# Altium PCB SVEC.pcbdoc (part 9 of 18)
Units mil, origin at the board's own origin, x right, y up, seen from the top; angles counter-clockwise.
Board outline 6349.25 x 9237.04 mil, 10 copper layers (Top Layer, L2 GND, L3, L4 PWR3.3, L5, L6, L7 GND, L8, L9 PWR, Bottom Layer), stack 58.268 mil thick; 906 components, 904 nets, 4753 pads, 3116 vias.
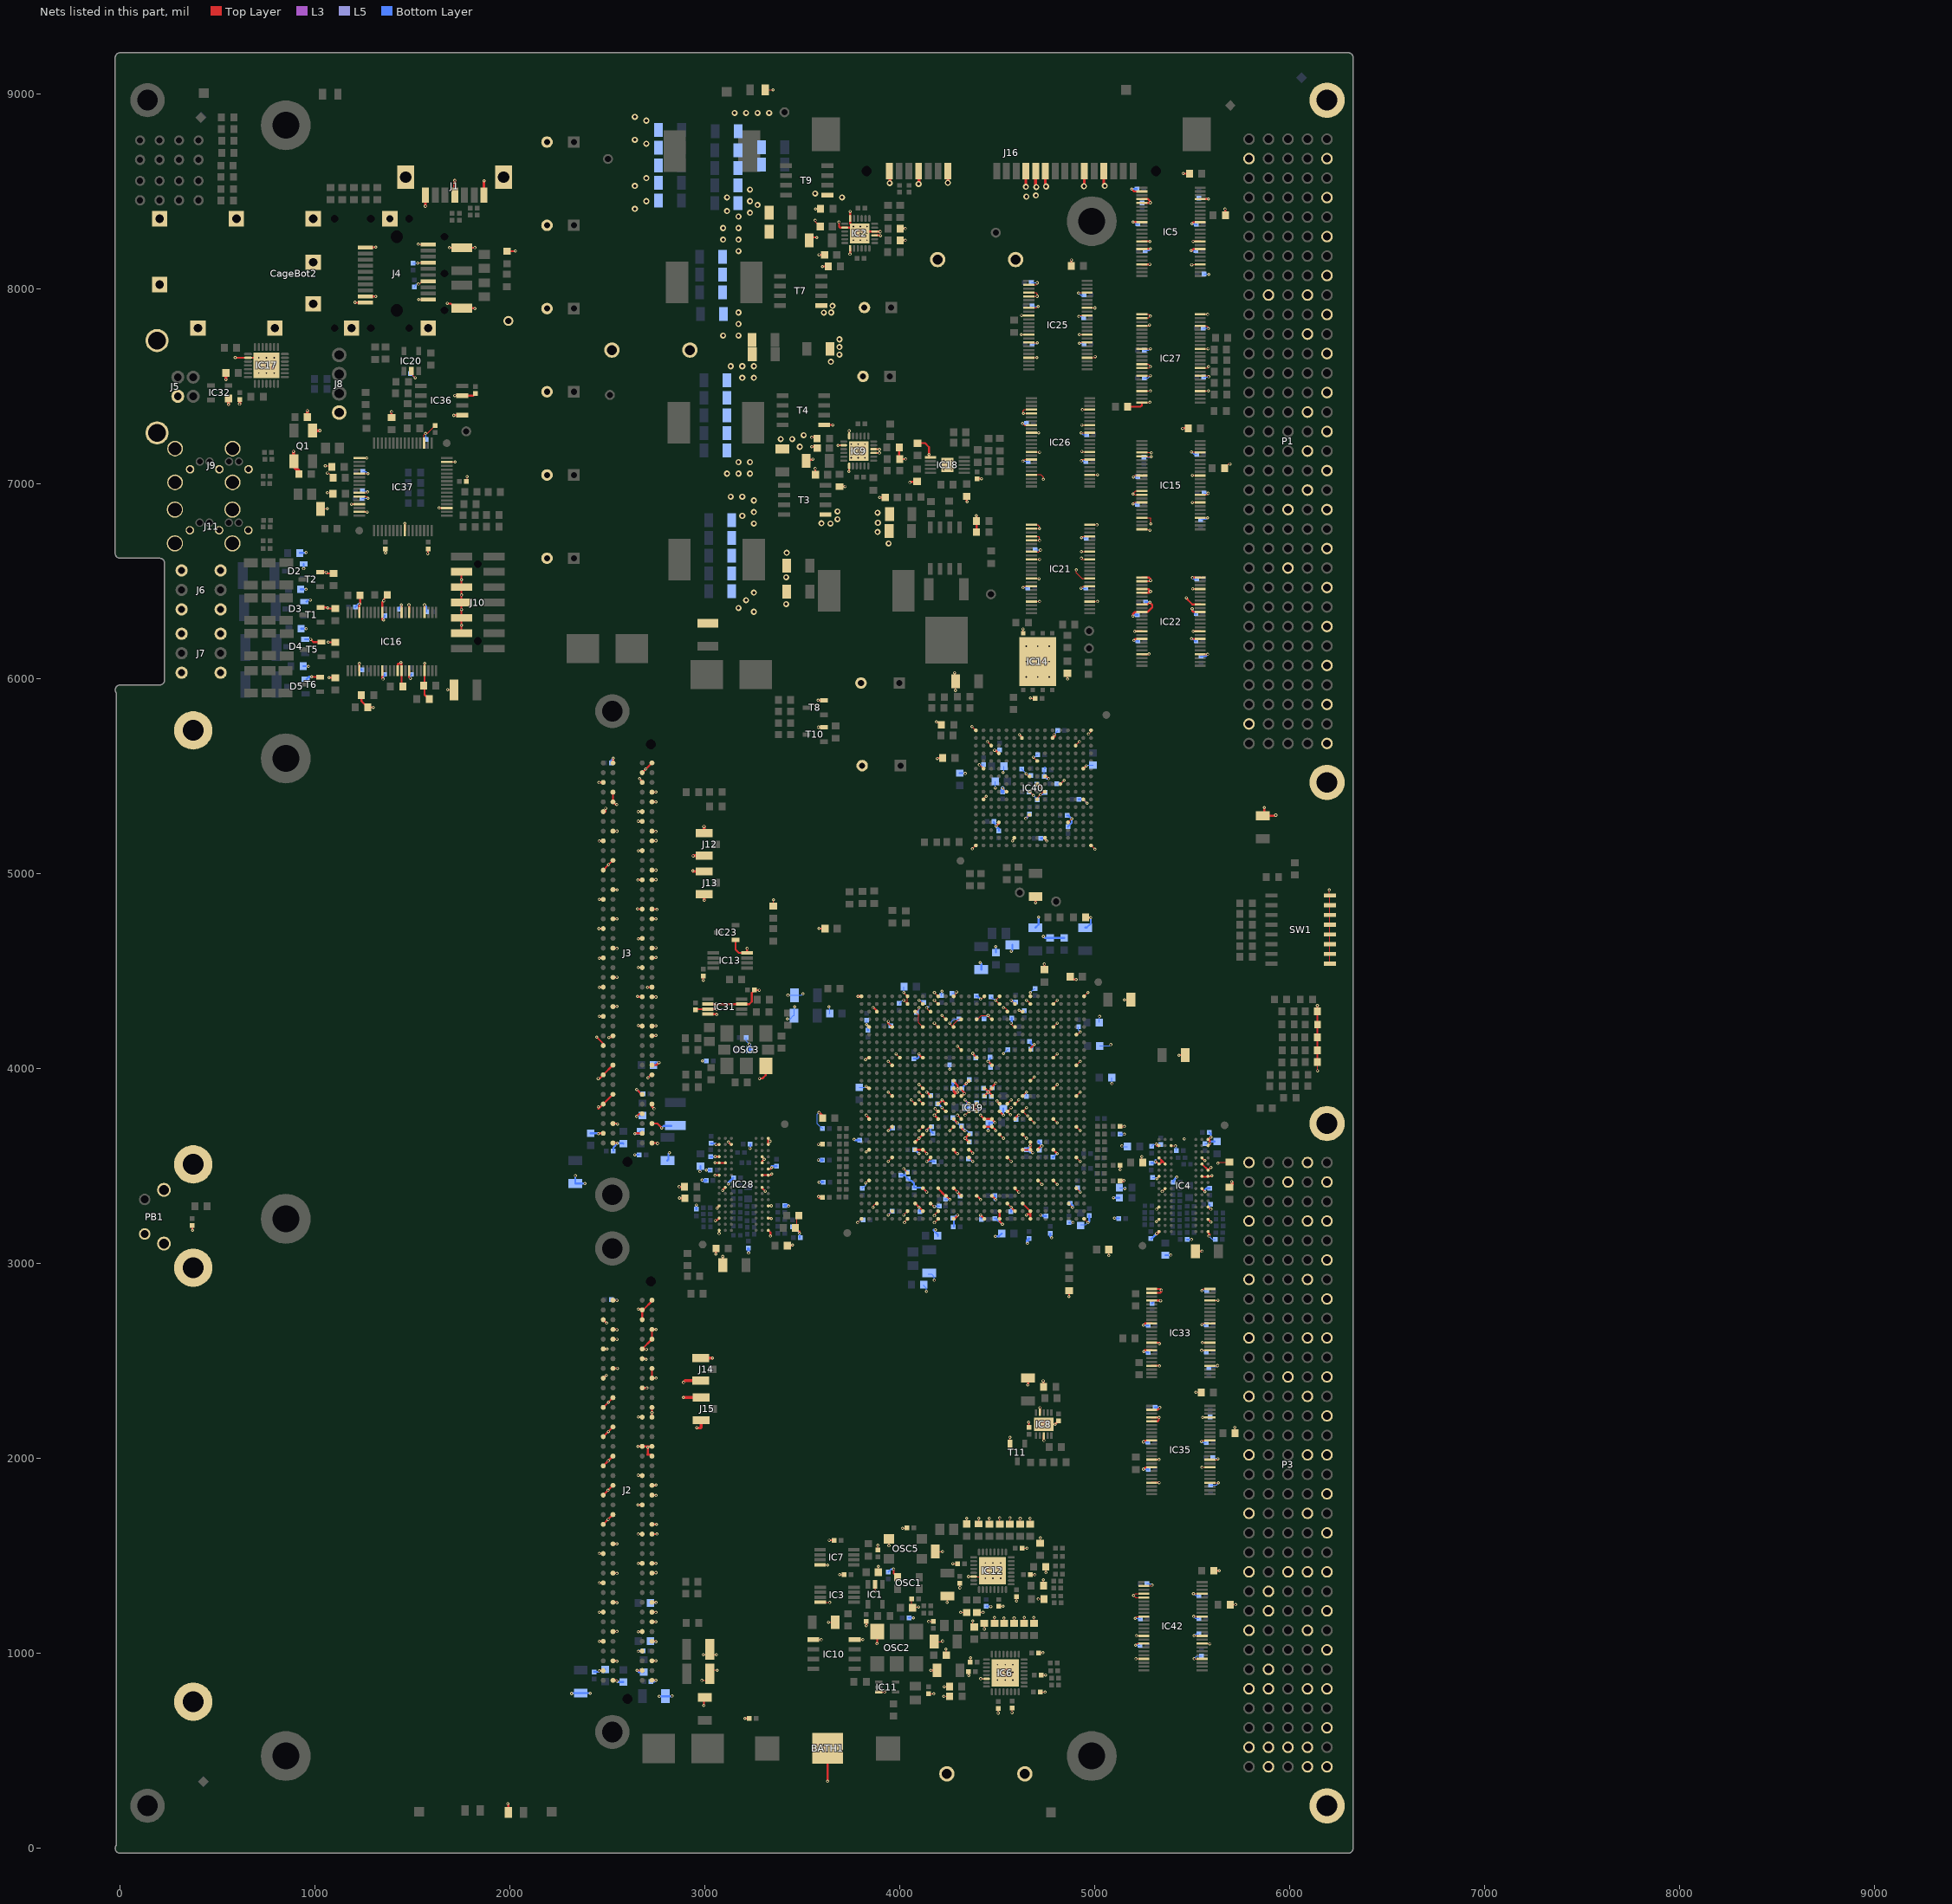
[diagram p17: the nets of this part, all layers, seen from the top]

## Via types
v1: diameter 15.75, hole 7.87, Top Layer to Bottom Layer, tented both sides, 2844 vias
v2: diameter 31.5, hole 15.75, Top Layer to Bottom Layer, tented both sides, 224 vias
v3: diameter 19.68, hole 7.87, Top Layer to Bottom Layer, tented both sides, 31 vias
v4: diameter 15.75, hole 7.87, Top Layer to Bottom Layer, 17 vias

## Nets (pads, with @x,y where several pads share a name; then routed paths per layer and width w, separated by ;. In a path a pad name is that pad's centre, name@x,y a point inside that pad or via, vN(x,y) a via of type N, cw(c..) or ccw(c..) an arc to the next point about the centre after c; other vN are vias at no path point) (continued)
GND: (continued)
  Top Layer w10: C279.1@370.55,3194.79 370.55,3171.51 v1(371.55,3170.51) ; v4(590.55,7647.64) 591.18,7647.01 IC17.2@656.2,7647.01 v4(790.06,7647.01) ; v1(977.55,6202.51) 992.15,6187.91 T5.2@1032.83,6187.91 ; v1(982.55,6010.51) 984.15,6008.91 T6.2@1026.83,6008.91 ; T2.2@1025.83,6546.91 v1(1057.15,6546.91) 1063.06,6541 R204.1@1094.55,6541 ; T1.2@1028.83,6365.91 1062.15,6365.91 v1(1064.55,6363.51) 1067.06,6361 R205.1@1103.55,6361 ; v1(1068.15,6187.91) 1069.06,6187 R206.1@1103.55,6187 ; v1(1071.96,6005.91) 1072.05,6006 R208.1@1103.55,6006 ; v1(1187.55,6895.51) 1187.97,6895.92 IC37.13@1226.58,6895.92 ; v1(1204.55,7931.51) 1206.36,7929.7 J4.10@1258.14,7929.7 ; IC37.15@1226.58,6856.55 1266.51,6856.55 v1(1267.55,6855.51) ; IC16.4@1227.23,6041.9 1227.55,6042.22 v1(1227.55,6078.51) ; IC16.45@1227.23,6341.11 v1@1227.23,6382.18 ; v1(1228.55,6383.51) 1231.05,6386 R164.1@1231.05,6428.51 ; R197.1@1238.06,5915.51 1238.06,5885.5 R196.1@1270.05,5853.51 1270.18,5853.64 v1(1298.69,5853.64) ; J4.9@1258.14,7961.2 v1(1310.86,7961.2) ; J4.1@1258.14,8213.17 1310.22,8213.17 v1(1311.55,8214.51) ; IC16.10@1345.34,6041.9 1345.34,6002.72 v1@1345.55,6002.51 ; v1(1351.55,6301.51) 1345.34,6302.72 IC16.39@1345.34,6341.11 1345.34,6393.29 v1(1352.55,6400.51) 1352.55,6408.51 1370.05,6426 R165.1@1370.05,6430.51 ; v1(1361.55,6646.51) C363.2@1361.55,6666.79 ; R236.2@1391.99,7341 1391.99,7368.94 v1(1392.55,7369.51) ; IC16.14@1424.08,6041.9 1424.08,6074.03 1427.55,6077.51 v1@1443.55,6077.51 ; v1(1440.55,6083.51) 1443.55,6080.51 v1@1443.55,6077.51 ; v1(1442.55,6379.51) 1443.77,6378.29 IC16.34@1443.77,6341.11 ; R198.1@1450.05,5960.51 1443.77,5966.79 IC16.15@1443.77,6041.9 1443.77,6077.29 v1@1443.55,6077.51 ; v1(1460.55,6797.51) 1460.83,6797.23 IC37.25@1460.83,6760.1 ; v1(1481.55,6378.51) 1483.14,6376.92 IC16.32@1483.14,6341.11 ; IC16.17@1483.14,6041.9 1483.14,6007.92 v1(1488.55,6002.51) ; v1(1561.55,6378.51) 1561.88,6378.18 IC16.28@1561.88,6341.11 ; v1(1562.55,6079.51) 1561.88,6078.83 IC16.21@1561.88,6041.9 1561.88,5918.68 R201.1@1585.05,5895.51 ; v1(1577.55,6642.51) 1579.55,6644.51 C353.2@1579.55,6666.79 ; v1(1635.55,6876.51) 1635.82,6876.24 IC37.35@1675.4,6876.24 ; v1@1679.69,7924.64 1695.69,7924.64 1715.69,7904.64 C219.2@1722.69,7904.64 ; v1(1689.61,8211.56) C220.2@1752.55,8211.56 v1(1819.61,8211.56) ; v1(1711.55,7351.51) 1712.55,7352.51 IC36.5@1755.29,7352.51 ; v1(1716.55,7453.51) 1717.55,7452.51 IC36.7@1755.29,7452.51 1812.27,7452.51 C359.2@1822.55,7462.79 ; J10.11@1750.89,6234.03 v1(1750.89,6274.51) J10.9@1750.89,6312.77 v1(1750.89,6355.51) J10.7@1750.89,6391.51 v1(1750.89,6429.51) J10.5@1750.89,6470.25 v1(1750.89,6508.51) J10.3@1750.89,6548.99 ; C219.2@1753.55,7901.45 1817.61,7901.45 v1(1819.55,7899.51) ; LD15.1@1985.74,8193.18 2026.23,8193.18 v1(2027.55,8194.51) ; v1(1988.55,229.51) 1991.18,226.88 R101.2@1991.18,184.51 ; v1(2444.55,4161.51) 2478.05,4128.01 J3.h30@2478.05,4118.51 ; v1(2452.55,3949.51) 2459.05,3949.51 J3.h33@2478.05,3968.51 J3.g32@2528.05,4018.51 ; v1(2453.14,3666.72) 2454.93,3668.51 J3.h39@2478.05,3668.51 ; v1(2453.14,3804.52) 2453.14,3794.7 2454.24,3794.69 J3.h36@2478.05,3818.51 J3.g35@2528.05,3868.51 ; v1(2455.55,4718.51) J3.h18@2478.05,4718.51 ; v1(2456.55,5467.51) 2457.55,5468.51 J3.h3@2478.05,5468.51 ; v1(2457.55,910.51) 2459.3,912.26 J2.h39@2478.05,912.26 ; v1(2457.55,1062.51) 2457.8,1062.26 J2.h36@2478.05,1062.26 ; v1(2457.55,1211.51) 2458.3,1212.26 J2.h33@2478.05,1212.26 ; v1(2457.55,1361.51) 2458.3,1362.26 J2.h30@2478.05,1362.26 ; v1(2457.55,1512.51) 2457.8,1512.26 J2.h27@2478.05,1512.26 ; v1(2457.55,4268.51) J3.h27@2478.05,4268.51 ; v1(2457.55,4417.51) 2458.55,4418.51 J3.h24@2478.05,4418.51 ; v1(2457.55,4566.51) 2459.55,4568.51 J3.h21@2478.05,4568.51 ; v1(2457.55,4868.51) J3.h15@2478.05,4868.51 ; v1(2457.55,5167.51) 2458.55,5168.51 J3.h9@2478.05,5168.51 ; J2.h24@2478.05,1662.26 v1(2503.05,1687.26) J2.g23@2528.05,1712.26 ; J2.h21@2478.05,1812.26 v1(2502.93,1837.13) J2.g20@2528.05,1862.26 ; J2.h18@2478.05,1962.26 v1(2503.93,1988.13) J2.g17@2528.05,2012.26 ; J2.h15@2478.05,2112.26 v1(2504.43,2138.63) J2.g14@2528.05,2162.26 ; J2.h12@2478.05,2262.26 v1(2504.43,2288.63) J2.g11@2528.05,2312.26 ; J2.h9@2478.05,2412.26 2478.3,2412.26 v1(2493.55,2427.51) ; J2.h6@2478.05,2562.26 2498.3,2562.26 v1(2498.55,2562.51) ; J2.h3@2478.05,2712.26 2495.55,2694.76 v1(2495.55,2694.51) ; J3.h12@2478.05,5018.51 v1(2505.3,5045.76) J3.g11@2528.05,5068.51 ; J3.h6@2478.05,5318.51 2484.05,5312.51 2490.69,5319.14 v1(2490.69,5335.64) ; v1(2506.69,4160.64) 2505.69,4160.64 2505.55,4160.51 2520.05,4160.51 J3.g29@2528.05,4168.51 ; J2.g40@2528.05,862.26 2544.8,862.26 v1(2548.55,858.51) ; J2.g38@2528.05,962.26 2546.8,962.26 v1(2548.55,960.51) ; J2.g35@2528.05,1112.26 2548.3,1112.26 v1(2548.55,1112.51) ; J2.g32@2528.05,1262.26 2546.8,1262.26 v1(2548.55,1260.51) ; J2.g29@2528.05,1412.26 2546.8,1412.26 v1(2548.55,1410.51) ; J2.g26@2528.05,1562.26 2548.3,1562.26 v1(2548.55,1562.51) ; J2.g8@2528.05,2462.26 2528.05,2463.01 2527.42,2463.64 v1@2550.69,2463.64 ; J2.g5@2528.05,2612.26 2547.8,2612.26 v1(2548.55,2611.51) ; J2.g4@2528.05,2662.26 2546.8,2662.26 v1(2548.55,2660.51) ; J2.g1@2528.05,2812.26 2547.8,2812.26 v1(2548.55,2811.51) ; J3.g40@2528.05,3618.51 2550.57,3618.51 v1(2551.57,3617.51) ; J3.g38@2528.05,3718.51 2548.99,3718.51 v1(2551.57,3715.93) ; J3.g26@2528.05,4318.51 2547.55,4318.51 v1(2548.55,4319.51) ; J3.g23@2528.05,4468.51 2547.55,4468.51 v1(2548.55,4469.51) ; J3.g20@2528.05,4618.51 2546.55,4618.51 v1(2548.55,4616.51) ; J3.g17@2528.05,4768.51 v1(2548.55,4768.51) ; J3.g14@2528.05,4918.51 2548.55,4918.51 v1(2549.55,4917.51) ; J3.g8@2528.05,5218.51 v1(2548.55,5218.51) ; J3.g4@2528.05,5418.51 J3.g5@2528.05,5368.51 2541.92,5354.64 v1(2547.69,5354.64) ; J3.g1@2528.05,5568.51 2529.55,5570.01 v1(2529.55,5592.51) ; v1(2640.16,3666.73) 2641.93,3668.51 J3.d39@2678.05,3668.51 ; v1(2650,3755.32) 2663.19,3768.51 J3.d37@2678.05,3768.51 ; v1(2650,3893.11) 2674.61,3868.51 J3.d35@2678.05,3868.51 ; v1(2651.55,913.51) 2652.8,912.26 J2.d39@2678.05,912.26 ; v1(2653.55,4370.51) 2655.55,4368.51 J3.d25@2678.05,4368.51 ; v1(2654.55,4819.51) 2655.55,4818.51 J3.d16@2678.05,4818.51 ; v1(2655.55,1762.51) 2655.8,1762.26 J2.d22@2678.05,1762.26 ; v1(2655.55,2062.51) 2655.8,2062.26 J2.d16@2678.05,2062.26 J2.c16@2728.05,2062.26 ; v1(2655.55,4967.51) 2656.55,4968.51 J3.d13@2678.05,4968.51 ; v1(2657.55,1010.51) 2659.3,1012.26 J2.d37@2678.05,1012.26 ; v1(2657.55,1111.51) 2658.3,1112.26 J2.d35@2678.05,1112.26 ; v1(2657.55,1462.51) 2657.8,1462.26 J2.d28@2678.05,1462.26 ; v1(2657.55,1612.51) 2657.8,1612.26 J2.d25@2678.05,1612.26 ; v1(2657.55,1914.51) 2659.8,1912.26 J2.d19@2678.05,1912.26 ; v1(2657.55,2213.51) 2658.8,2212.26 J2.d13@2678.05,2212.26 ; v1(2657.55,2766.51) 2686.42,2766.51 2728.05,2808.14 J2.c1@2728.05,2812.26 ; v1(2657.55,4221.51) 2660.55,4218.51 J3.d28@2678.05,4218.51 ; v1(2657.55,4519.51) 2658.55,4518.51 J3.d22@2678.05,4518.51 ; v1(2657.55,4666.51) 2659.55,4668.51 J3.d19@2678.05,4668.51 ; v1(2657.55,5117.51) 2658.55,5118.51 J3.d10@2678.05,5118.51 ; v1(2657.55,5269.51) 2658.55,5268.51 J3.d7@2678.05,5268.51 ; v1(2657.55,5318.51) J3.d6@2678.05,5318.51 ; v1(2664.55,5487.51) 2678.05,5474.01 J3.d3@2678.05,5468.51 ; J2.d10@2678.05,2362.26 2700.8,2362.26 v1(2701.55,2361.51) ; J2.d7@2678.05,2512.26 2694.8,2512.26 v1(2698.55,2508.51) ; J2.d3@2678.05,2712.26 J2.d2@2678.05,2762.26 ; J3.d2@2678.05,5518.51 v1(2696.8,5537.26) J3.c1@2728.05,5568.51 ; v1(2699.55,2560.51) 2679.8,2560.51 J2.d6@2678.05,2562.26 J2.c5@2728.05,2612.26 J2.c4@2728.05,2662.26 2748.07,2662.26 v1(2748.69,2661.64) ; v1(2706.69,2057.64) 2706.69,2019.64 2704.69,2019.64 2704.55,2019.51 2720.8,2019.51 J2.c17@2728.05,2012.26 ; v1@2706.69,4417.64 2728.92,4417.64 J3.c24@2728.05,4418.51 ; v1(2707.55,3953.51) 2722.55,3968.51 J3.c33@2728.05,3968.51 ; J2.c40@2728.05,862.26 2748.3,862.26 v1(2748.55,862.51) ; J2.c38@2728.05,962.26 2748.3,962.26 v1(2748.55,962.51) ; J2.c36@2728.05,1062.26 2746.8,1062.26 v1(2748.55,1060.51) ; J2.c34@2728.05,1162.26 2748.3,1162.26 v1(2748.55,1162.51) ; J2.c33@2728.05,1212.26 2746.8,1212.26 v1(2748.55,1210.51) ; J2.c32@2728.05,1262.26 2748.8,1262.26 v1(2749.55,1261.51) ; J2.c29@2728.05,1412.26 2746.3,1412.26 v1(2748.55,1414.51) ; J2.c28@2728.05,1462.26 2748.3,1462.26 v1(2748.55,1462.51) ; J2.c25@2728.05,1612.26 2753.3,1612.26 v1(2753.55,1612.51) ; J2.c24@2728.05,1662.26 v1@2748.55,1662.26 ; J2.c21@2728.05,1812.26 2747.8,1812.26 v1(2749.55,1810.51) ; J2.c20@2728.05,1862.26 2747.3,1862.26 v1(2749.55,1864.51) ; J2.c13@2728.05,2212.26 v1(2728.05,2235.51) J2.c12@2728.05,2262.26 ; J2.c8@2728.05,2462.26 J2.c9@2728.05,2412.26 2749.3,2412.26 v1(2749.55,2412.51) ; J3.c40@2728.05,3618.51 2757.26,3618.51 2758.26,3617.51 2757.26,3616.51 v1(2756.55,3616.51) ; J3.c38@2728.05,3718.51 2755.69,3718.51 v1(2777.94,3696.25) ; J3.c36@2728.05,3818.51 2728.05,3805.19 v1(2738.57,3794.67) ; J3.c32@2728.05,4018.51 2750.55,4018.51 v1(2763.55,4031.51) ; J3.c29@2728.05,4168.51 2746.55,4168.51 v1(2748.55,4170.51) ; J3.c28@2728.05,4218.51 2747.55,4218.51 v1(2748.55,4219.51) ; J3.c25@2728.05,4368.51 2747.55,4368.51 v1(2748.55,4367.51) ; J3.c21@2728.05,4568.51 2746.55,4568.51 v1(2748.55,4570.51) ; J3.c20@2728.05,4618.51 2746.55,4618.51 v1(2748.55,4620.51) ; J3.c17@2728.05,4768.51 v1(2748.55,4768.51) ; J3.c16@2728.05,4818.51 2751.55,4818.51 v1(2753.55,4816.51) ; J3.c13@2728.05,4968.51 2747.55,4968.51 v1(2748.55,4969.51) ; J3.c12@2728.05,5018.51 v1(2748.55,5018.51) ; J3.c9@2728.05,5168.51 2747.55,5168.51 v1(2748.55,5169.51) ; J3.c8@2728.05,5218.51 2746.55,5218.51 v1(2748.55,5216.51) ; J3.c5@2728.05,5368.51 v1(2748.55,5368.51) ; J3.c4@2728.05,5418.51 2747.55,5418.51 v1(2748.55,5419.51) ; v1(2867.55,3394.51) 2868.55,3393.51 R270.1@2895.06,3393.51 ; v1(2869.55,3336.51) 2870.55,3335.51 R268.2@2896.06,3335.51 ; C324.2@2950.55,4302.79 2953.48,4305.71 IC31.3@3014.94,4305.71 3056.35,4305.71 v1(3057.55,4304.51) ; C14.1@2990.55,4474.79 2990.55,4454.51 v1(2991.55,4453.51) ; v1(2994.48,733.66) 2994.48,770.49 C61.1@2998.55,774.56 ; IC31.4@3014.94,4280.12 3059.94,4280.12 3060.55,4279.51 v1(3060.55,4276.51) ; IC31.2@3014.94,4331.3 v1@3055.76,4331.3 ; v1(3051.55,3452.51) 3052.8,3453.75 IC28.G1@3072.57,3453.75 ; v1(3051.55,3517.51) 3052.32,3516.74 IC28.E1@3072.57,3516.74 IC28.E2@3104.07,3516.74 ; v1(3052.55,3548.51) 3052.82,3548.24 IC28.D1@3072.57,3548.24 ; v1(3052.95,3220.51) v1@3052.95,3222.66 ; v1(3055.55,3048.51) 3056.06,3049.01 R278.1@3056.06,3077.51 ; v1(3056.55,3611.51) 3056.83,3611.23 IC28.B1@3072.57,3611.23 ; v1(3056.55,4332.51) v1@3056.55,4331.3 ; v1(3061.55,3284.51) 3061.55,3285.25 IC28.M1@3072.57,3296.27 ; 3061.95,3222.66 IC28.P1@3072.57,3233.28 ; v1(3072.55,3154.51) IC28.T1@3072.57,3170.29 ; v1(3090.55,3375.51) 3090.55,3377.25 IC28.J2@3104.07,3390.76 ; C180.1@3091.5,2991.51 3091.5,3036.45 v1(3091.55,3036.51) ; v1(3120.55,3623.51) 3132.83,3611.23 IC28.B3@3135.56,3611.23 ; IC23.1@3156.83,4661.1 3156.83,4610.23 3173.17,4593.89 IC13.4@3216.17,4593.89 3216.17,4616.12 v1(3216.55,4616.51) ; v1(3204.26,666.65) C32.1@3225.92,666.65 ; C217.1@3248.29,4396.24 3240.34,4388.29 3240.34,4344.29 3227.35,4331.3 IC31.7@3188.17,4331.3 v1@3056.55,4331.3 ; C217.1@3253.27,4403.51 3278.55,4403.51 v1(3278.55,4402.51) ; v1(3279.55,3949.51) 3294.55,3949.51 3311.55,3966.51 OSC3.3@3311.55,4014.83 ; IC28.J8@3293.04,3390.76 3293.04,3387.19 v1(3308.79,3371.44) ; IC28.G8@3293.04,3453.75 IC28.G9@3324.54,3453.75 3336.8,3453.75 v1(3342.55,3459.51) ; IC28.E8@3293.04,3516.74 3293.04,3524.99 v1(3303.55,3535.51) 3293.04,3546.02 IC28.D8@3293.04,3548.24 ; IC28.T9@3324.54,3170.29 3335.55,3159.27 v1(3335.55,3141.51) ; IC28.P9@3324.54,3233.28 3337.78,3233.28 v1(3340.55,3230.51) ; IC28.M9@3324.54,3296.27 3340.32,3296.27 v1(3340.55,3296.51) ; IC28.F9@3324.54,3485.25 3324.67,3485.38 3334.43,3485.38 v1(3342.55,3493.51) ; IC28.B9@3324.54,3611.23 3324.54,3626.51 ; IC28.A9@3324.54,3642.73 3324.54,3626.51 ; v1(3332.55,3627.51) 3331.55,3626.51 3324.54,3626.51 ; C395.1@3422.05,3092.51 3446.55,3092.51 v1(3449.55,3095.51) ; R180.1@3464.05,3184.51 3484.55,3164 v1(3484.55,3154.51) ; C173.1@3519.5,7123.51 3550.55,7123.51 v1(3553.55,7126.51) ; C35.1@3534.5,8264.51 3572.55,8264.51 v1(3573.55,8263.51) ; v1(3547.55,7190.51) C5.1@3575.06,7190.51 ; v1(3547.55,7238.51) 3549.55,7240.51 R11.1@3575.06,7240.51 ; v1(3565.55,7078.51) 3566.06,7078 C218.1@3566.06,7047.51 ; v1(3565.55,8351.51) v1@3565.82,8351.77 ; v1(3566.55,8410.51) 3566.88,8410.83 R155.1@3592.92,8410.83 ; v1(3579.69,5889.64) 3580.15,5889.18 T8.2@3610.63,5889.18 ; v1(3581.69,5751.64) 3581.95,5751.38 T10.2@3610.63,5751.38 ; v1(3584.55,4719.51) 3585.55,4718.51 C142.1@3615.06,4718.51 ; v1(3585.55,8175.51) 3586.45,8174.61 C31.1@3612.6,8174.61 ; v1@3606.55,8113.51 3608.6,8115.55 R12.1@3632.29,8115.55 ; T4.1@3610.85,7302.51 v1(3655.55,7302.51) ; v1(3629.46,343.81) BATH1.2@3629.46,556.41 ; v1(3682.55,7197.51) 3683.08,7198.03 IC9.14@3711.78,7198.03 ; v1(3687.48,8342.79) 3687.48,8319.58 3692.66,8314.4 IC2.14@3717.15,8314.4 IC2.25@3764.4,8314.4 ; R120.1@3690.55,6986.01 3718.06,6986.01 v1(3718.55,6986.51) ; v1(3737.55,7063.51) 3739.34,7065.29 IC9.19@3739.34,7091.73 ; IC9.12@3739.34,7245.28 3739.34,7271.29 v1(3739.55,7271.51) ; v1(3743.55,8178.51) 3744.71,8179.66 IC2.19@3744.71,8208.1 ; v1(3744.55,8397.51) 3744.71,8397.35 IC2.12@3744.71,8361.65 3744.87,8361.49 3744.87,8333.93 IC2.25@3764.4,8314.4 ; v1(3826.55,3909.51) 3837.13,3898.93 IC19.V29@3842.06,3898.93 ; C238.2@3827.55,1165.29 3827.55,1147.51 v1@3830.55,1144.51 ; v1@3827.55,3757.51 3828.55,3758.51 3842.06,3745 IC19.P29@3842.06,3741.45 ; v1(3828.55,4226.51) 3829.44,4226.51 IC19.AF29@3842.06,4213.89 ; IC9.3@3865.33,7158.66 3894.4,7158.66 v1(3894.55,7158.51) ; IC9.4@3865.33,7178.35 3893.71,7178.35 v1(3894.55,7177.51) ; v1@3865.55,4313.51 3881.43,4297.63 IC19.AH28@3881.43,4292.63 ; IC2.3@3870.7,8275.03 3899.03,8275.03 v1(3900.55,8273.51) ; v1@3880.3,1048.62 3883.55,1051.87 OSC2.3@3883.55,1112.68 ; v1(3896.55,6930.51) C298.1@3924.06,6930.51 ; v1(3898.55,8293.51) 3899.55,8294.51 3899.55,8296.51 3897.77,8294.72 IC2.4@3870.7,8294.72 3803.77,8294.72 IC2.25@3793.92,8284.88 IC2.25@3764.4,8314.4 ; v1@3939.06,4237.58 3939.48,4237.58 3940.55,4236.51 3940.55,4233.51 IC19.AF26@3960.17,4213.89 ; v1(3967.55,1432.51) 3967.55,1411.23 OSC1.3@3987.25,1391.53 ; R153.2@3996.05,7187.51 3996.05,7129.51 R22.1@3998.05,7127.51 v1(4029.55,7127.51) ; R128.1@4001.42,8249.88 4027.18,8249.88 v1(4027.55,8249.51) ; R156.2@4001.42,8309.88 4027.18,8309.88 v1(4027.55,8309.51) ; v1(4050.55,7007.51) 4053.06,7010.01 C33.1@4079.55,7010.01 ; IC19.C23@4078.28,3308.38 4078.68,3308.38 4117.65,3269.41 IC19.B22@4117.65,3269.01 ; IC19.K23@4078.28,3583.97 IC19.K22@4117.65,3583.97 4119.09,3583.97 4131.55,3571.51 ; IC19.L23@4078.28,3623.34 IC19.M22@4117.65,3662.71 ; C299.1@4089.55,7209 4128.6,7209 4149.1,7188.51 v1(4149.1,7150.51) IC18.6@4149.1,7134.88 ; v1@4096.55,4073.51 4113.65,4056.41 IC19.AB22@4117.65,4056.41 ; IC19.E22@4117.65,3387.12 v1(4137.33,3367.44) ; v1@4137.55,3686.51 4153.13,3702.08 IC19.N21@4157.02,3702.08 ; v1@4138.55,3879.51 4157.02,3861.04 IC19.U21@4157.02,3859.56 ; v1@4144.55,3527.51 4157.02,3539.97 IC19.J21@4157.02,3544.6 ; v1(4158.55,913.51) C6.1@4189.5,913.51 ; v1(4176.7,3761.14) IC19.P20@4196.39,3741.45 ; v1(4186.55,5778.51) 4188.55,5776.51 R220.2@4214.06,5776.51 ; v1(4191.55,5591.51) 4193.55,5593.51 C313.1@4219.06,5593.51 ; IC19.E20@4196.39,3387.12 4196.39,3383.67 4232.31,3347.75 IC19.D19@4235.76,3347.75 4253,3330.51 v1@4255.55,3330.51 ; IC19.T20@4196.39,3820.19 4199.24,3820.19 4217.55,3838.51 4235.76,3820.3 IC19.T19@4235.76,3820.19 ; IC19.A18@4275.13,3229.64 4278.69,3229.64 v1@4296.55,3247.51 ; IC19.E18@4275.13,3387.12 IC19.D17@4314.5,3347.75 ; IC19.K18@4275.13,3583.97 4275.13,3580.93 v1@4290.55,3565.51 ; IC19.P18@4275.13,3741.45 4291.55,3725.02 v1@4291.55,3722.51 ; IC19.U18@4275.13,3859.56 4275.13,3863.08 4287.55,3875.51 v1@4290.55,3875.51 ; IC19.V18@4275.13,3898.93 4275.13,3882.2 4280.69,3876.64 4283.29,3879.25 v1(4294.81,3879.25) ; IC19.W18@4275.13,3938.3 4275.13,3935.2 4295.69,3914.64 v1(4295.69,3897.64) ; IC19.N17@4314.5,3702.08 4314.5,3696.56 v1@4331.55,3679.51 ; IC19.U17@4314.5,3859.56 4317.61,3859.56 v1(4329.69,3871.64) 4332.55,3874.51 4314.5,3892.56 IC19.V17@4314.5,3898.93 ; 4332.31,3918.75 4334.32,3918.75 IC19.W16@4353.87,3938.3 ; v1@4334.55,3643.51 v1@4334.55,3643.39 ; C101.1@4342.55,6936.01 4342.55,6910.51 v1(4344.55,6908.51) ; IC19.K16@4353.87,3583.97 4357.09,3583.97 v1@4371.55,3569.51 ; IC19.L16@4353.87,3623.34 4334.55,3642.66 v1@4334.55,3643.39 ; IC19.M16@4353.87,3662.71 v1@4334.55,3643.39 ; v1@4375.55,4077.51 4375.55,4074.1 IC19.AB15@4393.24,4056.41 ; v1(4391.55,6837.51) 4393.06,6836 R171.1@4393.06,6809.51 R170.1@4393.06,6752.51 ; IC19.D15@4393.24,3347.75 4395.31,3347.75 v1@4412.55,3330.51 ; IC19.R15@4393.24,3780.82 4393.24,3784.82 4375.55,3802.51 IC19.T15@4393.24,3820.19 ; C102.1@4396.55,7026.79 4417.27,7026.79 v1(4417.55,7026.51) ; v1@4409.55,3245.51 4416.74,3245.51 IC19.A14@4432.61,3229.64 ; v1@4418.55,3756.51 4418.55,3755.51 IC19.P14@4432.61,3741.45 IC19.P13@4471.98,3741.45 4471.98,3739.35 v1(4487.69,3723.64) ; IC19.N14@4432.61,3702.08 IC19.N13@4471.98,3702.08 4473.98,3702.08 v1@4487.55,3688.51 ; IC19.U14@4432.61,3859.56 4452.05,3879.01 v1@4457.05,3879.01 ; IC19.V14@4432.61,3898.93 4437.13,3898.93 v1@4454.55,3881.51 ; 4458.55,4030.51 IC19.AA13@4471.98,4017.08 ; IC19.V13@4464.69,3898.64 IC19.V13@4471.98,3905.93 ; IC19.D13@4471.98,3347.75 4472.58,3347.75 v1@4489.82,3330.51 ; IC19.U13@4471.98,3859.56 4471.98,3864.08 v1@4457.05,3879.01 ; v1(4485.55,5633.51) 4490.55,5633.51 4506.39,5617.67 IC40.N13@4507.39,5617.67 ; v1(4491.69,3925.64) IC19.V13@4471.98,3905.93 ; v1(4493.55,5244.51) 4507.39,5258.34 IC40.D13@4507.39,5263.34 ; v1@4497.55,3834.51 4497.55,3833.99 IC19.T12@4511.35,3820.19 ; IC19.B12@4511.35,3269.01 IC19.A12@4511.35,3229.64 4511.35,3215.98 v1(4525.69,3201.64) ; IC19.R12@4511.35,3780.82 4511.35,3780.71 v1@4528.55,3763.51 ; v1(4570.4,3288.7) IC19.B10@4590.09,3269.01 ; IC19.E10@4590.09,3387.12 4590.09,3384.97 4604.55,3370.51 4606.55,3370.51 v1@4610.55,3366.51 ; IC19.P10@4590.09,3741.45 4590.09,3746.04 v1@4607.55,3763.51 ; v1(4612.55,5712.51) 4625.5,5699.56 IC40.R10@4625.5,5696.41 ; IC19.C9@4629.46,3308.38 IC19.B8@4668.83,3269.01 4668.83,3252.64 ; IC19.K9@4629.46,3583.97 4635.09,3583.97 4636.42,3582.64 IC19.K8@4668.83,3582.64 ; v1(4649.14,3249.33) 4652.46,3252.64 4668.83,3252.64 ; v1(4656.55,2377.51) 4657.55,2378.51 C62.1@4657.55,2413.56 ; v1(4660.55,2186.51) 4661.55,2185.51 C68.1@4661.55,2160.22 ; IC19.A8@4668.83,3229.64 4668.83,3252.64 ; IC19.L8@4668.83,3623.34 IC19.K8@4668.83,3583.97 IC19.K8@4668.83,3582.64 ; IC19.AC8@4668.83,4095.78 4668.83,4102.78 4683.55,4117.51 ; IC19.K8@4670.69,3582.64 IC19.K8@4668.83,3582.64 ; v1(4680.69,3569.64) 4668.83,3581.5 IC19.K8@4668.83,3582.64 ; v1(4695.55,4851.51) C290.1@4695.55,4883.45 ; IC19.K7@4708.2,3583.97 4708.2,3587.15 v1@4725.55,3604.51 ; IC8.4@4717.87,2235.56 4717.87,2259.82 v1(4718.55,2260.51) ; v1(4734.55,2398.51) 4737.06,2396 R146.2@4737.06,2367.51 ; IC8.8@4737.55,2117.45 4737.55,2093.51 v1(4738.55,2092.51) ; IC8.11@4737.55,2176.51 v1@4794.55,2176.51 ; v1(4740.55,4536.51) 4741.55,4535.51 C129.1@4741.55,4508 ; IC40.B7@4743.61,5184.6 4743.61,5177.7 v1(4753.68,5167.63) ; IC40.K7@4743.61,5499.56 4750.85,5499.56 v1(4762.83,5487.58) ; IC19.K5@4786.94,3583.97 4805.55,3565.36 v1@4805.55,3564.51 ; v1(4795.55,2175.51) v1@4794.55,2176.51 ; C43.1@4813.55,2193.79 4796.27,2176.51 v1@4794.55,2176.51 ; v1(4866.55,2830.51) 4867.55,2831.51 R17.1@4867.55,2860.01 ; C133.1@4873.06,4472.51 4873.82,4472.51 4888.82,4457.51 v1(4903.55,4457.51) ; R174.2@4879.06,8118.51 v1(4879.06,8149.01) ; v1(4936.55,7380.51) 4936.88,7380.83 IC26.45@4973.16,7380.83 ; IC40.L2@4940.46,5538.93 4940.98,5538.93 v1(4955.55,5553.51) ; R132.1@4952.05,4776.51 4953.05,4775.51 v1(4978.55,4775.51) ; C95.1@5128.27,3703.51 v1(5150.55,3703.51) ; R166.1@5168.18,7395.64 5233.69,7395.64 5240.95,7402.9 IC27.24@5240.95,7417.13 ; v1(5188.55,8512.51) 5200.86,8500.2 IC5.2@5240.95,8500.2 ; v1(5194.55,6321.51) 5194.55,6331.51 5205.77,6342.72 IC22.10@5240.95,6342.72 5269.85,6342.72 5294.55,6367.42 5294.55,6378.51 v1@5280.55,6392.51 ; v1(5195.55,8343.51) 5240.16,8343.51 IC5.10@5240.95,8342.72 ; v1(5199.55,6196.51) 5207.97,6204.92 IC22.17@5240.95,6204.92 ; v1(5203.55,6243.51) 5204.34,6244.29 IC22.15@5240.95,6244.29 ; IC22.21@5240.95,6126.18 5276.78,6126.18 v1(5277.96,6127.36) ; IC22.8@5240.95,6382.09 5270.14,6382.09 v1@5280.55,6392.51 ; IC22.5@5240.95,6441.14 5278.19,6441.14 ; IC22.4@5240.95,6460.83 5274.23,6460.83 5278.19,6456.87 5278.19,6441.14 ; IC22.2@5240.95,6500.2 5281.25,6500.2 v1(5285.55,6504.51) 5285.55,6511.77 5277.44,6519.88 IC22.1@5240.95,6519.88 ; IC5.21@5240.95,8126.18 5281.23,8126.18 v1(5281.55,8126.51) ; IC5.17@5240.95,8204.92 5241.53,8205.51 v1(5284.55,8205.51) ; IC5.15@5240.95,8244.29 5281.77,8244.29 v1(5282.55,8243.51) ; IC5.5@5240.95,8441.14 v1@5282.19,8441.14 ; IC5.4@5240.95,8460.83 5272.23,8460.83 5282.19,8450.87 v1@5282.19,8441.14 ; v1(5248.55,1945.51) 5251.55,1945.51 5260.97,1954.92 IC35.17@5290.95,1954.92 ; v1(5249.55,2085.51) 5251.55,2085.51 5258.77,2092.72 IC35.10@5290.95,2092.72 ; v1@5249.55,2546.51 v1(5251.55,2548.51) ; v1@5249.55,2549.51 5254.97,2554.92 IC33.17@5290.95,2554.92 ; v1(5249.55,2684.51) 5257.77,2692.72 IC33.10@5290.95,2692.72 ; v1(5282.55,6392.51) v1@5280.55,6392.51 ; v1(5283.55,8442.51) v1@5282.19,8441.14 ; v1(5285.55,6448.51) 5278.19,6441.14 ; IC35.21@5290.95,1876.18 5329.23,1876.18 v1(5329.55,1876.51) ; IC35.15@5290.95,1994.29 5328.34,1994.29 v1(5328.55,1994.51) ; IC35.5@5290.95,2191.14 5322.19,2191.14 5328.23,2197.18 v1@5328.23,2210.83 ; IC35.4@5290.95,2210.83 v1@5328.23,2210.83 ; IC35.2@5290.95,2250.2 5321.25,2250.2 v1(5332.55,2261.51) ; IC33.21@5290.95,2476.18 5329.88,2476.18 v1(5331.55,2474.51) ; IC33.15@5290.95,2594.29 5332.34,2594.29 5330.55,2592.51 v1(5330.55,2588.51) ; IC33.4@5290.95,2810.83 5335.23,2810.83 v1(5336.55,2809.51) ; IC33.2@5290.95,2850.2 5334.25,2850.2 5340.55,2856.51 v1(5340.55,2863.51) 5334.18,2869.88 IC33.1@5290.95,2869.88 ; v1@5313.33,3524.73 5327.32,3510.74 IC4.E1@5328.57,3510.74 5331.79,3510.74 5345.93,3524.88 ; v1(5328.55,2210.51) v1@5328.23,2210.83 ; IC4.D1@5328.57,3542.24 5345.93,3524.88 ; IC4.E2@5360.07,3510.74 5345.93,3524.88 ; v1(5430.55,4068.51) 5431.55,4069.51 C382.1@5462.61,4069.51 ; v1(5449.55,7284.51) 5450.55,7285.51 R210.1@5479.06,7285.51 ; v1(5452.55,8592.51) 5453.55,8591.51 R190.2@5485.06,8591.51 ; v1(5468.55,6415.51) 5475.55,6408.51 5475.55,6406.51 5499.97,6382.09 IC22.41@5540.16,6382.09 ; v1(5495.55,6205.51) 5539.58,6205.51 IC22.32@5540.16,6204.92 ; v1@5496.55,8195.51 5505.97,8204.92 IC5.32@5540.16,8204.92 ; v1(5497.55,8334.51) 5505.77,8342.72 IC5.39@5540.16,8342.72 ; v1(5498.74,6359.23) 5498.74,6349.51 5505.53,6342.72 IC22.39@5540.16,6342.72 ; v1(5500.55,6518.51) 5500.55,6519.51 5500.93,6519.88 IC22.48@5540.16,6519.88 ; v1(5501.55,6461.51) 5502.23,6460.83 IC22.45@5540.16,6460.83 ; v1(5503.55,6243.51) 5502.77,6244.29 IC22.34@5540.16,6244.29 ; v1(5503.55,8244.51) 5503.77,8244.29 IC5.34@5540.16,8244.29 ; C121.1@5515.5,3063.51 v1(5549.55,3063.51) ; IC22.28@5540.16,6126.18 5540.84,6125.51 v1(5578.55,6125.51) ; IC5.45@5540.16,8460.83 5581.88,8460.83 v1(5582.55,8461.51) ; IC4.J8@5549.04,3384.76 5549.04,3384.02 v1(5564.55,3368.51) ; IC4.G8@5549.04,3447.75 5551.16,3445.63 5578.42,3445.63 IC4.G9@5580.54,3447.75 5598.8,3447.75 5599.55,3448.51 v1(5599.55,3450.51) ; IC4.E8@5549.04,3510.74 IC4.F9@5580.54,3479.25 5594.55,3493.26 v1(5594.55,3493.51) ; IC4.D8@5549.04,3542.24 5562.77,3528.51 v1(5564.55,3528.51) ; IC4.T9@5580.54,3164.29 5580.54,3157.52 5589.55,3148.51 5585.3,3144.25 v1(5585.3,3141.21) ; IC4.P9@5580.54,3227.28 5580.78,3227.28 v1(5594.55,3213.51) ; IC4.M9@5580.54,3290.27 5591.55,3279.25 v1(5594.85,3279.25) ; IC4.B9@5580.54,3605.23 5589.55,3614.25 v1(5589.55,3618.51) 5589.55,3627.71 IC4.A9@5580.54,3636.73 5582.77,3636.73 v1(5594.55,3648.51) ; R179.2@5610.05,1424.51 v1(5637.55,1424.51) ; v1(5667.55,8409.51) 5669.05,8408.01 R191.2@5669.05,8378.51 ; v1(5868.51,5339.96) 5868.51,5304.51 C289.1@5861.55,5297.56 5924.53,5297.56 v1(5927.56,5300.59) ; R38.1@6141.05,4033.51 R35.1@6141.05,4094.51 R33.1@6141.05,4293.51 v1(6141.05,4323.64) v1@6141.05,4325.01 ; v1@3055.76,4331.3 v1@3056.55,4331.3 ; v1@3055.76,4331.3 3056.55,4330.51 v1@3056.55,4331.3 ; v1@4454.55,3881.51 v1@4457.05,3879.01 ; v1@4454.55,3881.51 IC19.V13@4471.98,3898.93 IC19.V13@4471.98,3905.93